# Allegro board EPTS_PERFANL_B_V0_3.brd (continued)
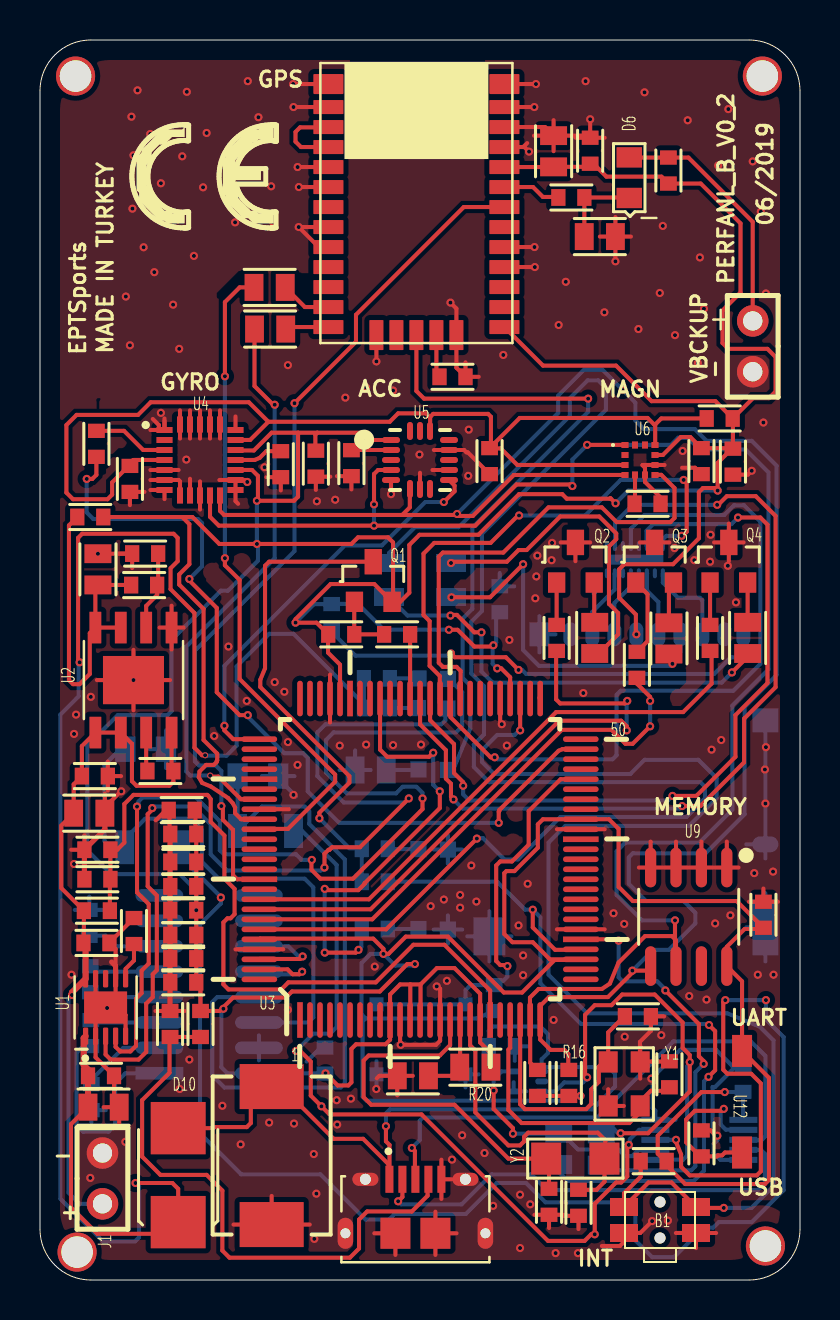
[diagram p0: board, top side]
## Routing (per net, layer and track width the routed paths; a pad name or vN(x,y) marks a point on that pad's centre or on a via; arc(x,y) is an arc through that point) (continued)
  TOP w0.254: 6.5,19.68 C17.2 ; 6.5,19.68 6.5,18.49 ; 6.5,19.68 6.5,20.9 ; C13.2 6.5,14.88 ; 6.5,14.88 R18.1 ; 6.5,14.88 6.5,16.08 ; 6.5,18.49 C16.2 ; 6.5,18.49 6.5,17.25 ; 3.58,15.9 3.78,15.7 U1.7 ; C5.2 3.24,22.54 C4.2 R5.1 ; C18.2 6.5,20.9 ; 6.5,20.9 6.5,22.3 C19.2 ; 6.5,16.08 6.5,17.25 ; 6.5,16.08 C14.2 ; 6.5,17.25 C15.2
  BOTTOM w0.203: J2.10 J2.11 ; J2.10 35.31,21.78 ; J2.10 36.27,21.08 ; 20.62,10.28 S1.3 ; S1.3 21.93,10.28 ; S1.3 21.28,10.94 ; S1.3 21.28,9.63 ; 24.4,11.68 C38.1 23.74,10.96 ; U10.10 31.77,8.01 ; U10.10 30.77,8.46 30.63,8.6 30.63,10.01 v1(30.57,10.07) 32,11.5 33.81,11.5 34.61,10.71 34.68,10.71 ; U10.10 29.76,8.01 ; 13.34,10.92 14.04,11.62 C32.2 ; 34.68,10.71 C40.2 ; 34.68,10.71 34.68,10.58 33.76,9.65 33.63,9.65 33.63,7.44 33.83,7.24 33.84,7.24 v1(33.87,7.21) 33.87,6.99 33.68,6.81 33.68,6.35 34.02,6.01 U10.5 ; 23.68,9.88 U11.4 24.31,9.43 ; 19.68,17.52 D4.2 ; D4.2 20.4,18.23 ; D4.2 20.4,16.81 ; D4.2 21.11,17.52 ; 14.98,25.5 R33.2 ; R33.2 15.76,26.48 ; R33.2 16.53,25.5 ; 27.69,34.31 27.76,34.39 ; J2.14 25.77,32.28 ; J2.14 24.97,31.38 ; J2.14 24.97,33.19 ; 23.71,34.68 C33.1 22.99,35.35 ; 10.95,12.23 U7.15 10.95,10.98 ; D9.2 11.91,25.07 12.8,24.18 ; D9.2 12.73,25.2 ; D9.2 11.1,25.2 ; 20.4,20.81 D3.2 ; D3.2 19.68,21.52 ; D3.2 21.11,21.52 ; D3.2 20.4,22.23 ; C36.2 3.19,18.5 ; C36.2 1.74,18.5 ; C36.2 2.46,19.17 ; J2.12 36.27,19.34 ; J2.12 35.31,17.63 ; J2.12 36.27,15.93 ; 32.02,33.19 J2.6 32.02,31.38 ; D8.2 6.3,27.48 ; D8.2 6.3,25.6 ; D8.2 5.49,26.54 ; 16.83,9.63 S1.4 ; S1.4 16.83,10.94 ; S1.4 17.48,10.28 ; 22.47,15.93 J2.13 ; J2.13 21.36,17.18 ; J2.13 22.47,18.44 ; J2.13 23.57,17.18 ; 3.29,8.49 C37.2 2.57,7.83
  vias: v1(1.57,15.26) v1(1.7,27.3) v1(1.7,20.8) v1(1.8,28.27) v1(2.54,29.16) v1(2.51,5.1) v1(3.36,13.6) v1(4.06,24.43) v1(4.29,49.17) v1(4.27,6.91) v1(4.5,46.73) v1(4.57,58.16) v1(4.62,53.57) v1(4.67,56.23) v1(4.88,59.49) v1(5.18,51.64) v1(5.51,57.3) v1(5.71,50.39) v1(6.05,54.84) v1(5.99,53.36) v1(6.05,43.36) v1(6.65,48.77) v1(6.91,53.03) v1(6.96,46.56) v1(6.99,9.55) v1(7.11,56.18) v1(7.34,59.41) v1(7.32,41.02) v1(7.47,11.02) v1(7.7,51.21) v1(8.15,54.63) v1(8.33,57.35) v1(8.71,27.2) v1(9.12,8.71) v1(9.42,31.67) v1(9.75,52.88) v1(9.96,56.11) v1(10.03,6.78) v1(10.34,28.95) v1(10.39,59.94) v1(10.92,58.14) v1(11.23,40.64) v1(11.46,7.87) v1(11.56,54.68) v1(11.66,52.91) v1(11.73,29.89) v1(12.22,29.41) v1(12.4,45.74) v1(12.4,26.9) v1(12.4,13.51) v1(12.67,24.26) v1(12.7,7.82) v1(12.88,25.75) v1(13.69,6.3) v1(13.72,2.06) v1(13.84,38.94) v1(13.82,4.32) v1(14.76,39.01) v1(14.83,8.99) v1(14.86,7.77) v1(14.99,26.72) v1(15.27,44.12) v1(15.54,9.07) v1(16.31,44.63) v1(16.31,26.77) v1(16.74,15.67) v1(16.81,9.55) v1(17.65,44.47) v1(17.65,26.74) v1(18.03,11.76) v1(18.97,41.27) v1(19.05,26.77) v1(19.53,18.69) v1(19.84,14.68) v1(20.19,19.02) v1(20.35,14.96) v1(20.6,6.02) v1(21.01,19.25) v1(21.01,18.62) v1(21.11,7.24) v1(21.44,42.52) v1(21.41,40.21) v1(21.56,20.73) v1(21.82,18.92) v1(22.23,6.35) v1(22.66,3.71) v1(23.16,46.25) v1(23.34,26.72) v1(23.47,32) v1(23.93,17.73) v1(24,4.27) v1(24,1.6) v1(24.16,16.23) v1(24.16,15.24) v1(24.38,19.81) v1(24.51,3.78) v1(24.82,35.18) v1(24.77,34.09) v1(24.87,36.22) v1(25.6,36.85) v1(25.58,35.99) v1(25.68,13) v1(25.78,1.34) v1(25.93,47.75) v1(26.29,49.91) v1(26.9,1.34) v1(27.17,29.35) v1(27.28,59.94) v1(28.22,48.39) v1(28.68,18.34) v1(29.21,17.8) v1(29.24,12.17) v1(29.92,47.55) v1(30.23,59.38) v1(30.99,49.35) v1(31.14,52.7) v1(31.06,12.24) v1(31.39,2.97) v1(31.72,36.6) v1(31.75,47.24) v1(32.13,41.45) v1(32.38,57.99) v1(32.46,14.2) v1(32.72,35.99) v1(32.89,45.85) v1(32.99,51.13) v1(33.2,48.56) v1(33.32,14.02) v1(33.53,37.26) v1(33.5,35.91) v1(33.58,26.52) v1(33.76,17.83) v1(33.91,55.73) v1(34.06,27) v1(34.42,58.55) v1(34.39,35.71) v1(34.52,18.24) v1(34.8,33.88) v1(35.64,55.93) v1(35.71,20.34) v1(35.89,15.26) v1(36.04,53.41) v1(36.17,42.87) v1(36.25,25.53) v1(36.3,49.33) v1(36.3,26.64) v1(36.27,23.82) v1(36.65,20.42) v1(36.68,15.26)
VBAT: length 35.2
  TOP w0.203: U2.4 6.58,25.54 R6.1 6.67,24.92 6.47,24.71 4.83,24.71 4.6,24.94 4.6,26.81 U2.2 U2.1 2.09,26.7 C6.1 1.68,24.79 C5.1 1.07,22.72 1.07,19.59 R2.2 2.19,16.88 C3.1
  TOP w0.305: v1(1.6,14.25) 1.6,14.38 U1.10 2.28,16.75
  TOP w0.381: 2.28,16.75 C3.1
  BOTTOM w0.203: J1.1 1.98,3.81 1.42,4.37 1.42,14.07 v1(1.6,14.25)
VBAT_ADC: length 37.3
  TOP w0.203: R2.1 3.49,20.01 R5.2 C4.1 3.86,21.51 4.22,21.87 4.22,23.8 4.67,24.26 8.36,24.26 8.41,24.22 8.53,24.04 8.53,22.91 9.22,22.22 9.22,20.06 9.73,19.56 9.73,18.29 9.53,18.08 9.37,18.08 9.17,17.88 9.17,14.78 9.42,14.53 12.06,14.53 12.42,14.88 16.79,14.88 18.67,16.76 20.22,16.76 22.51,14.47 U3.20
VBUS: length 93
  TOP w0.203: v2(8.26,26.24) 8.1,26.24 7.72,26.62 7.72,33.35 6.53,34.54 6.53,35.58 6.88,35.94 6.88,37.11 6.68,37.31 2.11,37.31 1.91,37.11 1.91,30.96 v1(1.98,30.89) ; v1(4.78,4.85) 6.62,4.85 6.91,4.56 D10.2 6.32,2.31 2.87,2.31 1.55,3.63 1.55,7.79 C1.1
  TOP w0.305: U1.1 2.18,12.1 2.18,10.74 2.4,10.53 C2.1 2.4,8.64 C1.1
  BOTTOM w0.203: v1(1.98,30.89) 1.93,30.83 1.93,29.18 1.02,28.27 1.02,4.06 3.15,1.93 4.75,1.93 4.95,2.13 4.95,4.67 v1(4.78,4.85) ; 16.19,28.79 R3.2 ; 16.19,28.79 R1.2 ; 16.19,28.79 12.67,32.31 11.46,32.31 9.83,30.68 9.83,26.72 9.32,26.21 8.28,26.21 v2(8.26,26.24)
ACC_INT: length 21
  TOP w0.203: U5.9 20.73,39.72 20.73,39.43 v1(20.19,38.9) ; U3.76 9.66,27.04 9.22,27.48 v1(9.22,27.71)
  BOTTOM w0.203: v1(20.19,38.9) 19.27,38.9 17.09,36.73 15.24,36.73 9.22,30.71 v1(9.22,27.71)
GPS_INT: length 43.7
  TOP w0.203: v1(12.73,43.84) 15.8,46.91 15.8,48.26 21.19,53.65 IC1.7 ; v1(9.07,23.7) 9.14,23.62 9.14,23.01 9.65,22.5 9.65,20.24 9.86,20.04 U3.90
  BOTTOM w0.203: v1(9.07,23.7) 9.07,25.45 8.79,25.73 7.95,25.73 7.75,25.93 7.75,31.47 12.73,36.45 v1(12.73,43.84)
GYRO_INT: length 42.2
  TOP w0.203: v1(22.94,22.86) 22.94,23.42 22.97,23.45 22.97,23.5 25.93,26.46 26.12,26.54 U3.49 ; v1(2.34,40.05) 2.62,40.05 2.82,40.26 R28.2 ; v1(10.39,28.24) 9.98,28.24 8.84,29.39 8.84,33.6 7.47,34.97 v1(7.47,35.05)
  BOTTOM w0.203: v1(10.39,28.24) 10.39,28.17 12.22,26.34 13.16,26.34 13.39,26.11 13.39,24.43 14.96,22.86 v1(22.94,22.86) ; v1(7.47,35.05) 8.1,35.69 8.1,37.84 7.9,38.05 2.67,38.05 2.34,38.38 v1(2.34,40.05)
MAGNO_INT: length 23.9
  TOP w0.203: U3.59 21.03,29.08 21.03,30.45 20.83,30.66 20.14,30.66 19.94,30.86 19.94,36.17 20.14,36.37 23.16,36.37 25.43,38.63 28.09,38.63 28.83,37.9 31.52,37.9 31.72,38.1 31.72,39.6 31.06,40.26 30.76,40.26 U6.7
MCI_CS: length 44.5
  TOP w0.203: v1(20.68,24.03) 20.55,24.15 20.55,24.81 20.29,25.07 20.29,26.49 19,27.78 U3.63 ; v1(32.11,23.7) 33.02,23.7 35.2,25.88 35.2,28.07 36.78,29.64 36.78,38.2 35.79,39.19 34.34,39.19 33.91,38.76 v1(33.86,38.76)
  BOTTOM w0.203: v1(33.86,38.76) 29.64,38.76 28.75,37.87 28.75,36.71 U8.2 ; v1(32.11,23.7) 31.98,23.57 21.13,23.57 v1(20.68,24.03)
MCI_DAT_IN: length 36.3
  TOP w0.203: v1(22.73,26.14) 22.53,26.14 20.52,28.14 20.52,29.06 U3.60
  BOTTOM w0.203: U8.4 29.54,37.57 30.23,38.25 34.21,38.25 34.7,38.73 35.2,38.73 36.02,37.92 36.02,30.81 34.67,29.46 29.03,29.46 28.83,29.26 28.83,26.24 28.63,26.03 22.89,26.03 22.83,26.08 22.78,26.08 v1(22.73,26.14)
MCI_DAT_OUT: length 26.7
  TOP w0.203: v1(23.95,38.23) 23.9,38.23 22.53,36.85 19.71,36.85 19.18,36.32 19.18,33.25 19.48,32.94 19.48,30.71 19.99,30.2 19.99,29.07 ; 19.99,29.07 19.99,28.83 ; 19.99,29.07 U3.61 ; v1(32.18,40) 32.33,39.85 32.33,37.41 32.13,37.21 v1(32.08,37.21)
  BOTTOM w0.203: v1(23.95,38.23) 27.25,38.23 29.03,40 v1(32.18,40) ; U8.8 31.14,37.03 31.32,37.21 v1(32.08,37.21)
MCI_DETECT: length 23
  TOP w0.203: v1(23.93,30.5) 23.29,31.14 20.74,31.14 v1(20.55,31.33)
  BOTTOM w0.203: v1(23.93,30.5) 24.1,30.5 24.31,30.3 33.71,30.3 34.54,31.14 34.92,31.14 35.15,31.37 35.15,32.28 J2.9 ; v1(20.55,31.33) 20.43,31.22 15.77,31.22 14.62,32.37 14.58,32.37 R36.2
MCI_SCL: length 39.6
  TOP w0.203: v1(34.9,38.12) 36.02,38.12 36.37,37.77 36.37,29.84 34.77,28.24 34.77,26.16 32.82,24.2 v1(31.62,24.2) ; v1(21.16,24.71) 21.16,24.89 20.7,25.35 20.7,26.8 19.5,27.99 U3.62
  BOTTOM w0.203: v1(21.16,24.71) 21.16,24.28 21.46,23.98 31.39,23.98 v1(31.62,24.2) ; v1(34.9,38.12) 34.57,37.79 30.66,37.79 30.33,37.46 30.33,36.71 U8.6
Net_15: length 0
  BOTTOM w0.203: 29.95,35.33 29.94,35.34
Net_24: length 0.1
  TOP w0.203: 24.97,29.11 25.01,29.07
Net_33: length 0
  BOTTOM w0.203: 29.14,35.34 29.16,35.32
ON/OFF: length 20.5
  TOP w0.203: v1(23.37,15.7) 23.32,15.75 23.01,15.75 22.81,15.95 22.81,20.73 23.01,20.93 23.6,20.93 24.43,21.77 24.43,23.44 26.03,25.04 U3.46
  BOTTOM w0.203: S1.2 S1.1 21.28,14.49 21.54,14.75 21.93,14.75 21.93,14.75 R9.1 22.92,14.96 23.16,14.96 23.37,15.16 v1(23.37,15.7)
ON_OFF_LED: length 21.9
  TOP w0.203: v1(14.24,16.37) 15.79,16.37 v1(15.93,16.51) ; U3.67 17,26.52 17.36,26.16 19.46,26.16 v1(19.66,26.36) ; v1(14.24,19.56) 14.3,19.49 15.91,19.49 16.23,19.81 16.23,19.84 19.99,23.6 v1(19.99,24.43)
  BOTTOM w0.203: v1(19.66,26.36) 19.66,24.76 v1(19.99,24.43) ; v1(15.93,16.51) 16.07,16.65 16.07,17.53 R19.1 ; v1(14.24,19.56) v1(14.24,16.37)
RGB_BLUE: length 28.7
  TOP w0.203: R26.2 33.58,31.38 33.58,29.82 32.16,28.4 25.81,28.4 16.45,19.04 U3.92
RGB_CONTROL: length 76.2
  TOP w0.203: v1(21.84,22.07) 17.31,17.53 U3.95
  BOTTOM w0.203: v1(21.84,22.07) 21.87,22.09 22.15,22.09 23.22,21.03 23.9,21.03 26.02,23.15 32.32,23.15 33.25,24.08 33.25,24.66 33.02,24.89 22.45,24.89 21.69,25.65 21.69,26.77 22.2,27.28 22.2,29.69 21.56,30.33 21.56,32.92 22.1,33.45 22.1,37.31 28.3,43.51 28.3,44.6 27.91,44.98 27.38,44.98 26.49,44.09 26.49,43.2 20.93,37.64 18.75,37.64 17.45,36.35 D5.1
RGB_GREEN: length 26.8
  TOP w0.203: v1(30.51,27.68) 29.63,26.81 29.27,26.81 28.57,27.51 26.09,27.51 16.61,18.03 U3.94 ; v1(30.51,28.95) 30.51,29.16 29.84,29.82 R24.2
  BOTTOM w0.203: v1(30.51,28.95) v1(30.51,27.68)
RGB_RED: length 30.2
  TOP w0.203: v1(29.34,27.48) 29.34,27.68 29.06,27.96 25.96,27.96 16.53,18.53 U3.93 ; R25.2 25.81,31.43 25.81,29.03 26.01,28.83 29.24,28.83 v1(29.36,28.95)
  BOTTOM w0.203: v1(29.36,28.95) 29.34,28.93 v1(29.34,27.48)
SCL: length 84.1
  TOP w0.203: R17.1 24.51,10.86 U3.24 24.5,13.01 24.5,14.12 24.93,14.55 28.09,14.55 28.49,14.82 28.93,15.87 30.25,17.19 31.6,17.19 31.8,16.99 U9.6 31.75,15.75 v1(31.75,17.98) ; v1(26.62,39.7) 26.57,39.7 26.49,39.78 23.83,39.78 21.77,37.72 v1(16.7,37.72) 8.94,37.72 8.5,38.16 U4.11 ; v1(16.7,38.78) 16.7,40.3 16.9,40.5 U5.4 ; v1(27.36,41.76) 29.24,41.76 U6.1
  BOTTOM w0.203: v1(16.7,37.72) v1(16.7,38.78) ; v1(26.62,39.7) 26.62,41.02 v1(27.36,41.76) 31.55,41.76 31.9,42.11 32.38,42.11 32.97,41.53 35.28,41.53 36.42,40.38 36.42,30.53 34.62,28.73 34.62,23.52 32.97,21.87 29.26,21.87 28.83,21.44 28.83,19.25 30.1,17.98 v1(31.75,17.98)
SDA: length 90.8
  TOP w0.203: 18.11,38.25 9.2,38.25 9,38.45 U4.12 ; 18.11,38.25 18.49,38.63 18.49,39.54 U5.6 ; 18.11,38.25 20.8,38.25 v1(20.85,38.3) 20.95,38.2 21.64,38.2 23.69,40.25 U6.4 ; U9.5 30.3,15.47 v1(29.62,15.47) 29.62,15.37 28.4,14.15 25.45,14.15 24.99,13.69 24.99,13.02 U3.25 25.01,12.02 25.53,11.5 26.21,11.5 26.42,11.3 26.42,10.53 R16.1
  BOTTOM w0.203: 20.9,38.31 v1(20.85,38.3) 25.91,43.36 25.91,44.22 27.2,45.52 28.12,45.52 v1(29.13,44.5) 29.77,43.86 29.77,42.98 30.2,42.54 32.74,42.54 33.32,41.96 35.59,41.96 36.83,40.71 36.83,30.25 35.23,28.65 35.23,23.29 33.27,21.33 29.64,21.33 29.44,21.13 29.44,19.81 30.3,18.95 32.18,18.95 32.77,18.36 32.77,17.83 31.45,16.51 30.66,16.51 v1(29.62,15.47)
UC_RXD0: length 4.6
  TOP w0.203: v1(13.11,15.42) 12.98,15.29 12.62,15.29 12.38,15.53 U3.99
  BOTTOM w0.203: U7.12 11.07,15.29 12.98,15.29 v1(13.11,15.42)
UC_RXD0_232: length 40.7
  TOP w0.203: v1(12.8,11.45) 13,11.45 13.54,10.92 13.54,9.22 v1(14.07,8.69) 14.48,8.28 19.08,8.28 25.4,1.95 27.23,1.95 27.56,2.28 v1(27.74,2.28) 27.74,3.81 28.8,4.88 29.06,4.88 29.36,5.18 29.36,6.63 29.44,6.7 v1(29.44,6.76)
  BOTTOM w0.203: v1(29.44,6.76) 29.49,6.81 29.49,7.03 29.96,7.51 U10.9 ; 14.12,8.69 v1(14.07,8.69) ; 12.65,22.45 R35.1 13.1,22.45 14.83,20.75 14.83,12.65 14.5,12.32 13.67,12.32 v1(12.8,11.45)
UC_RXD3: length 32.8
  TOP w0.203: v1(9.25,45.19) 9.25,48.89 9.98,49.63 R30.2 ; U3.85 10.98,22.55 12.4,22.55 14.76,24.92 14.76,25.27 9.98,30.05 9.98,35 9.25,35.74 v1(9.25,36.09)
  BOTTOM w0.203: v1(9.25,45.19) v1(9.25,36.09)
UC_TXD0: length 4.6
  TOP w0.203: v1(13.13,16.18) 13,16.05 10.99,16.05 U3.98
  BOTTOM w0.203: v1(13.13,16.18) 12.93,16.18 12.42,16.69 U7.11
UC_TXD0_232: length 79.6
  TOP w0.203: v1(34.26,13.99) 34.16,13.89 34.16,10.51 34.37,10.31 35.56,10.31 36.04,9.83 36.04,5.43 35.84,5.23 32.49,5.23 32.05,5.66 32.05,6.28 31.8,6.89 v1(31.8,7.01)
  BOTTOM w0.203: U10.8 v1(31.8,7.01) ; v1(34.26,13.99) v1(36.3,13.99) 36.3,13.03 37.19,12.14 37.19,4.49 35.59,2.89 33.93,2.89 33.66,2.61 33.17,2.61 31.7,1.14 30.61,1.14 29.77,1.98 29.77,3.28 29.16,3.88 25.27,3.88 24.31,4.85 22.83,4.85 21.29,3.3 17.73,3.3 17.45,3.02 16.28,3.02 14.02,5.28 10.06,5.28 8,7.34 8,17.78 9.04,18.82 v1(9.04,19.12) 9.04,19.15 7.67,20.52 7.67,21.01 R34.1
UC_TXD3: length 28.6
  TOP w0.203: U3.82 10.05,24.04 8.92,25.17 8.56,25.17 v2(8.51,25.22) ; v1(11.73,43.76) 11.66,43.76 10.73,44.7 R29.2
  BOTTOM w0.203: v2(8.51,25.22) 7.52,25.22 7.32,25.42 7.32,31.67 11.73,36.09 v1(11.73,43.76)
USB_CON: length 3.2
  TOP w0.203: U3.64 18.5,32.28 R11.2
USB_DN: length 21.2
  TOP w0.203: v1(28.93,16.97) 28.86,17.03 U3.30 ; v1(31.27,14.48) 32.94,12.8 32.94,11.19 33.19,10.95 v1(33.19,10.81)
  BOTTOM w0.203: v1(31.27,14.48) 31.27,14.53 30.86,14.93 29.13,14.93 28.93,15.14 v1(28.93,16.97) ; v1(33.19,10.81) 32.77,10.39 32.77,5.69 32.56,5.49 28.18,5.49 R37.1 28.07,5.88
USB_DP: length 40.5
  TOP w0.203: v1(24.64,18.52) 24.64,17.63 25.76,16.51 27.02,16.51 U3.29 ; v1(33.43,10.16) 33.76,10.49 33.76,12.44 v1(33.45,12.75)
  BOTTOM w0.203: v1(33.45,12.75) 33.4,12.8 27.05,12.8 25.02,14.83 25.02,18.13 v1(24.64,18.52) 24.26,18.52 22.86,19.91 R14.1 ; 25.93,5.9 R38.1 25.93,5.41 26.39,4.95 32.69,4.95 33.2,5.46 33.2,9.93 v1(33.43,10.16)
USB_ID: length 29.2
  TOP w0.203: J6.4 19.38,4.99 19.38,4.22 18.59,3.43 16.36,3.43 15.95,3.02 15.95,1.57 15.49,1.12 9.47,1.12 9.12,1.47 9.12,4.47 8.33,5.26 6.02,5.26 5.11,6.17 5.11,8.99 6.48,10.36 6.48,12.12 R18.2 R15.1
N17244: length 3.9
  TOP w0.203: R8.1 5.91,34.8 R7.2 5.86,34.25 5.31,33.7 U2.6
N17270: length 17.2
  TOP w0.203: FB1.1 1.45,37.73 1.45,30 1.65,29.79 1.98,29.79 2.49,30.3 2.49,32.34 U2.8 ; U2.8 2.77,34.63 C7.1 4.55,34.75 R7.1 ; U2.8 U2.7
N39514: length 2.1
  TOP w0.203: Q4.1 R26.1
N39522: length 2
  TOP w0.203: Q4.2 R21.2
N40407: length 2.1
  TOP w0.203: Q2.1 R25.1
N40419: length 2
  TOP w0.203: R22.2 27.71,32.91 Q2.2
N40627: length 3.9
  TOP w0.203: R24.1 30.38,31.94 30.38,34.29 Q3.1
N40639: length 2.1
  TOP w0.203: Q3.2 31.45,34.64 R23.2
N40729: length 21.6
  TOP w0.203: v1(22.07,32.38) 21.72,32.38 20.84,33.26 20.56,33.26 v1(20.52,33.22) ; R21.1 35.38,31.16 v1(34.59,30.38)
  BOTTOM w0.203: v1(20.52,33.22) 18.38,33.22 D5.2 ; v1(34.59,30.38) 34.09,29.87 22.63,29.87 22.07,30.43 v1(22.07,32.38)
N40756: length 17
  TOP w0.203: v1(31.62,30.81) 31.45,30.99 R23.1 ; v1(24.16,35.79) 22.5,34.14 v1(20.57,34.14)
  BOTTOM w0.203: v1(31.62,30.81) 31.52,30.71 24.95,30.71 24.16,31.5 v1(24.16,35.79) ; D5.4 20.56,34.14
N41543: length 16.5
  TOP w0.203: v1(20.55,35.85) 20.61,35.91 23.34,35.91 23.93,36.5 24.33,36.5 26.01,38.17 27.97,38.17 28.81,37.33 28.81,37.04 28.45,36.68 28.45,33.81 28.91,33.35 28.91,32.28 28.02,31.39 27.81,31.39 R22.1
N77164: length 2.2
  TOP w0.203: R29.1 12.39,47.65 IC1.26
N77272: length 4
  TOP w0.203: IC1.16 14.4,57.63 13,57.63 12.78,57.4 12.78,56.92 13.05,56.65 IC1.17
N77740: length 2.9
  TOP w0.203: R31.1 25.89,54.15 25.15,54.15 24.65,54.65 IC1.8
N79263: length 2.6
  TOP w0.203: IC1.25 13.24,48.65 R30.1
N79331: length 33.3
  TOP w0.203: IC1.29 18.82,44.45 19.2,44.07 v1(27.41,44.07)
  BOTTOM w0.203: v1(27.41,44.07) 27.41,43.41 21.62,37.62 21.62,33.55 21.13,33.07 21.13,30.1 21.51,29.72 21.51,27.57 20.67,25.53 20.4,25.53 D7.1
N79337: length 2.2
  TOP w0.203: IC1.30 19.82,45.31 R32.1
N79832: length 1.6
  BOTTOM w0.203: D7.2 18.89,25.5 R33.1
N89007: length 12.2
  TOP w0.203: v1(22.68,9.47) 22.68,8.56 23.65,7.59 v1(23.65,7.31)
  BOTTOM w0.203: 25.92,7.31 R38.2 26.09,7.33 26.9,6.53 28.93,6.53 29.26,6.2 29.62,6.2 29.93,6.51 U10.7 30.75,6.53 ; 25.92,7.31 v1(23.65,7.31) ; 25.92,7.31 25.93,7.2 ; v1(22.68,9.47) 22.68,10.03 23.08,10.43 U11.5
N89296: length 27.4
  TOP w0.203: v1(29.03,7.34) 30.4,7.34 32.49,9.42 v1(32.49,10.9) 32.49,11.25 32.13,11.61 32.13,12.88 30.73,14.27 29.11,14.27 28.57,13.74 27.74,13.74 27.25,13.26 27.25,10.23 v1(27.36,10.13)
  BOTTOM w0.203: v1(32.49,10.9) 32.49,10.82 32.36,10.69 32.36,6.22 32.16,6.02 30.78,6.02 U10.6 ; U11.3 25.76,9.43 26.21,9.88 27.15,9.88 27.36,10.08 v1(27.36,10.13) ; 28.04,7.29 28.3,7.54 28.7,7.54 28.88,7.36 29.01,7.36 v1(29.03,7.34) ; 28.04,7.29 R37.2 ; 28.04,7.29 28.07,7.18 ; R37.2 28.07,7.44 ; R37.2 28.07,7.31
N89931: length 40.2
  TOP w0.203: v1(17.3,7.69) 17.3,6.93 17.48,6.76 17.48,5.04 J6.1 17.42,5.08 17.42,5.79 16.15,7.06 14.68,7.06 12.06,9.68 11.58,9.68 ; 11.58,9.68 D11.2 ; 11.58,9.68 11.53,9.68 10.54,8.69 10.54,7.85 10.34,7.64 8.69,7.64 8.64,7.59 D10.1
  BOTTOM w0.203: 17.27,7.66 v1(17.3,7.69) 17.3,8.33 17.5,8.53 27.61,8.53 28.75,9.68 28.75,10.31 28.42,10.64 25.3,10.64 U11.1 25.08,11.04 25.4,11.35 25.4,12.29 25.02,12.67 22.64,12.67 22.44,12.47 C38.2
N90614: length 23.3
  TOP w0.203: v1(17.91,3.94) 18.12,4.15 J6.2
  BOTTOM w0.203: U10.4 36.04,6.51 36.25,6.31 36.25,4.85 35.89,4.49 25.35,4.49 24.56,5.28 22.58,5.28 21.08,3.78 18.06,3.78 v1(17.91,3.94)
N90618: length 27.6
  TOP w0.203: J6.3 18.75,5.06 18.75,6.45 v1(18.59,6.6)
  BOTTOM w0.203: v1(18.59,6.6) 18.99,7 18.99,7.96 19.15,8.13 27.86,8.13 31.67,11.94 35.53,11.94 36.27,11.2 36.27,7.19 36.07,6.98 35.18,6.98 U10.3
N117234: length 8.5
  TOP w0.203: U12.S0 34.25,6.37 34.11,6.23 33.9,6.23 33.85,6.18 R39.1 33.01,6.18 32.31,6.88 32.31,8.03 32.74,8.46 34.09,8.46 v1(34.19,8.56)
  BOTTOM w0.203: U10.2 35.16,7.52 34.29,7.52 34.04,7.77 34.04,8.41 v1(34.19,8.56)
N125821: length 3.8
  TOP w0.203: U4.3 5.16,41.5 4.2,42.46 R28.1
N127071: length 2.4
  TOP w0.203: C21.2 11.32,41.44 10.98,41.11 10.73,41 U4.16
N134848: length 1.9
  TOP w0.203: U2.3 5.31,25.51 R6.2
N140250: length 3.3
  BOTTOM w0.203: U8.11 30.35,35.33 30.35,34.47 30.92,33.9 J2.5
N140575: length 4.5
  BOTTOM w0.203: J2.7 33.12,33.99 32.99,34.11 31.9,34.11 31.14,34.87 31.14,35.33 U8.9
N141763: length 65.4
  TOP w0.203: R12.1 30.03,5.17 29.2,4.33 B1.3 30.43,4.88 31.57,4.88 B1.4 32.84,3.61 v1(34.19,3.61) ; U3.53 v1(24.01,27.48)
  BOTTOM w0.203: v1(34.19,3.61) 35.58,3.61 36.68,4.71 36.68,11.98 36,12.66 34.36,13.33 27.36,13.33 25.43,15.26 25.43,21.87 26.26,22.71 32.45,22.71 33.83,24.09 33.83,25.09 32.92,26.01 30.23,26.01 29.51,25.3 22.71,25.3 22.1,25.91 22.1,26.49 22.86,27.25 23.73,27.25 23.96,27.48 v1(24.01,27.48)
N149349: length 3.5
  BOTTOM w0.203: U8.15 28.73,35.32 28.73,34.52 27.62,33.41 J2.2
N161452: length 3.4
  BOTTOM w0.203: U8.13 29.54,35.33 29.54,34.67 28.72,33.85 J2.3
N162278: length 12.5
  TOP w0.203: J5.1 35.64,52.91 32.42,56.12 R40.1 29.47,56.12 D6.1
N16778025: length 1.5
  BOTTOM w0.203: R19.2 18.92,17.55 D4.1
N16778166: length 4.2
  TOP w0.203: 21.12,10.64 21.01,10.66 ; 21.01,10.66 U3.17 ; 21.01,10.66 R*.2 20.56,10.21 C9.1
N16778251: length 3.1
  TOP w0.203: Q1.1 15.71,33.9 R10.2 R11.1
N16778293: length 25
  TOP w0.203: Q1.3 11.46,35.91 11.25,35.71 11.25,30.59 11.01,30.01 11.01,29.65 15.47,25.2 15.47,24.87 13.97,23.37 v1(13.97,23.09)
  BOTTOM w0.203: R14.2 R13.2 16.08,21.59 15.47,21.59 v1(13.97,23.09)
N16778314: length 1.5
  BOTTOM w0.203: D3.1 17.41,21.55 R13.1
N16778668: length 13.6
  TOP w0.203: U3.23 24.01,8.79 24.25,8.54 27.3,8.54 27.56,8.8 27.56,9.52 27.94,9.9 27.94,10.66 28.18,10.9 ; 28.18,10.9 Y1.3 28.41,12.38 29.24,13.21 C10.1 ; 28.18,10.9 27.89,10.61
N16778761: length 19.7
  TOP w0.203: U3.16 20.51,11.74 19.99,11.23 16.43,11.23 16.18,10.97 16.18,9.14 16.56,8.76 20.73,8.76 23.42,6.07 Y2.2 25.45,5.93 C11.2
N16778765: length 16
  TOP w0.203: U3.18 21.51,11.73 21.77,11.47 21.77,9.8 21.77,8.38 23.42,6.73 24,6.73 24.21,6.93 24.21,7.16 24.41,7.36 27.89,7.36 28.27,6.98 28.27,6.42 28.22,6.37 Y2.1 28.22,4.91 27.82,4.51 C12.2
N16778972: length 13.9
  TOP w0.203: U3.22 23.51,11.61 23.42,11.52 23.42,8.51 24.08,7.85 29.46,7.85 30,8.38 30,8.69 Y1.1 30.01,8.93 30.54,9.46 31.29,9.46 C8.1
N16801749: length 1.4
  BOTTOM w0.203: D1.1 18.89,28.6 R1.1
N16801751: length 50.8
  TOP w0.203: v1(19.13,24.08) 19.13,23.54 15.65,20.06 14.02,20.06 13.57,20.51 13.57,20.99 v1(13.59,21) ; U1.4 3.78,11.66 4.01,11.43 4.52,11.43 4.8,11.71 4.8,14.07 5.08,14.35 5.08,15.47 5.44,15.82 5.44,18.79 4.85,19.38 v1(4.85,23.67)
  BOTTOM w0.203: D2.2 20.45,30.05 21.11,29.39 21.11,27.68 20.8,27.38 14.68,27.38 14.3,27 14.3,25.37 15.34,24.33 17.81,24.33 18.14,24.66 18.82,24.66 19.13,24.36 v1(19.13,24.08) ; v1(13.59,21) 13.08,21 12.8,21.28 9.19,21.28 8.99,21.49 8.99,22.93 7.8,24.13 5.13,24.13 4.93,23.93 4.93,23.75 v1(4.85,23.67)
N16801753: length 47.5
  TOP w0.203: v1(18.44,24.08) 16,21.64 14.61,21.64 14.48,21.51 14.43,21.51 14.22,21.31 v1(14.22,20.62) ; U1.3 3.28,11.27 3.53,11.02 4.93,11.02 5.31,11.4 5.31,13.82 5.64,14.15 5.64,15.29 5.84,15.49 5.84,19.23 5.38,19.68 5.38,23.29 5.61,23.52 v1(5.61,23.6)
  BOTTOM w0.203: v1(14.22,20.62) 14.19,20.54 14.02,20.47 9.35,20.47 8.53,21.28 8.53,22.78 7.65,23.67 5.77,23.67 5.69,23.6 v1(5.61,23.6) ; v1(18.44,24.08) 18.24,23.87 15.19,23.87 13.87,25.2 13.87,27.38 14.27,27.79 20.07,27.79 20.27,27.99 20.27,28.47 D1.2
N16801755: length 1.4
  BOTTOM w0.203: R3.1 18.92,30.08 D2.1
N16801793: length 1.9
  TOP w0.203: R4.1 4.7,15.98 4.28,15.56 U1.6
N16807703: length 34.3
  BOTTOM w0.203: U7.13 8.86,14.15 8.61,13.89 8.61,10.23 9.22,9.63 15.04,9.63 15.24,9.83 15.24,21.03 13.46,22.81 13.46,23.44 13.23,23.67 11.1,23.67 9.88,22.46 ; R35.2 9.88,22.46 ; 9.88,22.46 D9.1
N16807705: length 28.3
  BOTTOM w0.203: U7.14 13.41,12.88 13.67,13.13 13.67,19.63 13.23,20.06 8.94,20.06 8.1,20.9 8.1,22.5 7.54,23.06 5.26,23.06 4.24,22.04 R34.2 4.19,21.59 3.58,21.59 3.23,21.94 3.23,25.75 4.01,26.54 D8.1
N16807731: length 3.6
  BOTTOM w0.203: U7.4 2.75,14.15 C35.1
N16807744: length 11.2
  BOTTOM w0.203: U7.1 4.27,10.34 3.76,9.83 3.76,7.75 3.43,7.42 2.16,7.42 1.83,7.75 1.83,11.36 2.16,11.69 C34.1
N16807746: length 3.6
  BOTTOM w0.203: U7.5 2.78,15.42 C35.2
N16807750: length 4.3
  BOTTOM w0.203: U7.2 4.17,11.61 2.57,10.01 C37.1
N16807752: length 3.7
  BOTTOM w0.203: U7.6 3.81,16.69 3.28,17.22 2.48,17.22 C36.1
N16807763: length 3.5
  BOTTOM w0.203: U7.3 2.66,12.88 C34.2
N16811596: length 2
  TOP w0.203: C24.2 15.58,41.5 U5.2
N16811672: length 1.4
  TOP w0.203: U6.5 29.75,38.83 C31.2
N16811851: length 4.2
  TOP w0.203: C28.1 27.22,52.18 R31.2 29.44,54.13 D6.2

## Copper pours and planes (outline as drawn; the poured copper is in the pictures)
GND on BOTTOM (solid shape): 31.17,35.76 28.32,35.76 28.32,36.07 28.52,36.27 31.17,36.27
GND on BOTTOM: 3.54,1 1.74,1.74 1,3.54 1,58.46 1.74,60.26 3.54,61 34.46,61 36.26,60.26 37,58.46 37,3.54 36.26,1.74 34.46,1 ; 33 cut-outs
(no net) on TOP: 3.54,1 1.74,1.74 1,3.54 1,58.46 1.74,60.26 3.54,61 15.49,61 15.49,56.16 22.25,56.16 22.25,61 34.46,61 36.26,60.26 37,58.46 37,3.54 36.26,1.74 34.46,1 ; 48 cut-outs

## Text on the board
Ref Des/Silkscreen Bottom: _ | + | GPS | USB | CHRG | STATUS | ON/OFF | BATTERY | GPS ANTENNA | .
Ref Des/Silkscreen Top: R20 | _ | + | - | GYRO | GPS | ACC | INT | MAGN | MEMORY | UART | USB | VBCKUP | PERFANL_B_V0_2 | 06/2019 | EPTSports | MADE IN TURKEY
